# KiCad board RP2040_motor-rounded.kicad_pcb (continued)
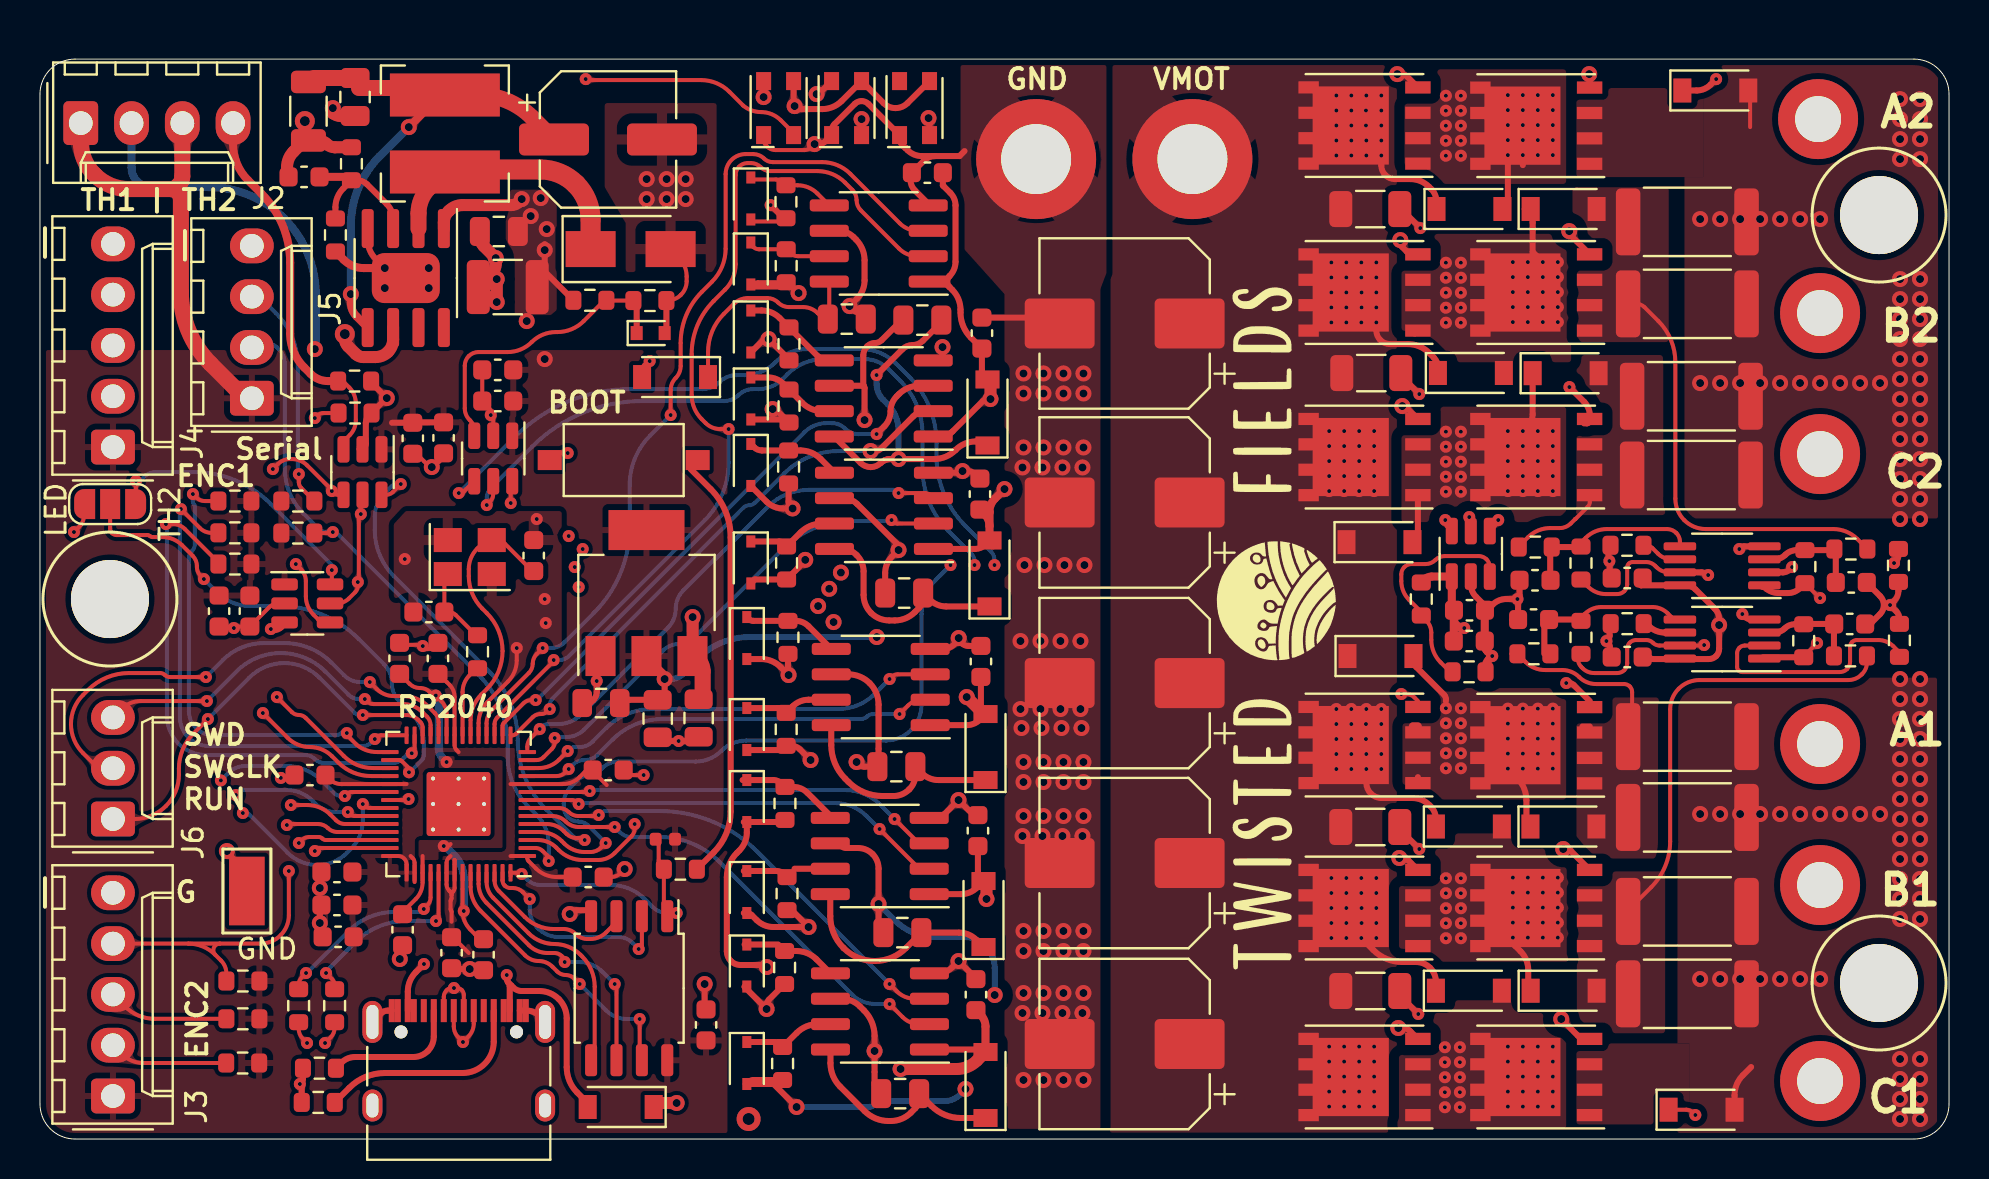
[diagram p0: board, top side]
## Routing (per net, layer and track width the routed paths; a pad name or vN(x,y) marks a point on that pad's centre or on a via; arc(x,y) is an arc through that point) (continued)
A4: length 92.7
  Top w0.2: v1(13.75,14.4) 13.83,14.47 arc(13.91,14.53) 14.01,14.55 U15.41 ; 76.93,24.26 76.93,24.02 arc(76.98,23.8) 77.1,23.61 77.17,23.54 arc(77.44,23.36) 77.75,23.3 78.9,23.3 arc(79.09,23.34) 79.26,23.44 arc(79.36,23.61) 79.4,23.8 79.4,24.51 arc(79.43,24.68) 79.53,24.82 arc(79.67,24.92) 79.84,24.95 80.36,24.95 arc(80.54,24.91) 80.69,24.81 arc(80.84,24.71) 81.02,24.67 U6.7 83.21,24.67 arc(83.22,24.68) 83.24,24.69 v1(83.25,24.7)
  In1.Cu w0.3: v2(39.7,25.85) 39.67,25.87 arc(39.65,25.89) 39.61,25.9 36.83,25.9 arc(35.46,26.17) 34.3,26.95 arc(33.14,27.73) 31.77,28 27.63,28 arc(27.37,27.95) 27.15,27.8 v1(26.95,27.6)
  In2.Cu w0.3: v1(26.95,27.6) 26.88,27.67 arc(26.79,27.73) 26.69,27.75 23.64,27.75 arc(20.72,27.17) 18.24,25.51 15.33,22.61 arc(14.79,21.8) 14.6,20.84 14.6,15.85 arc(14.49,15.3) 14.18,14.83 v1(13.75,14.4) ; v1(83.25,24.7) 82.92,24.38 arc(82.57,24.13) 82.14,24.05 78.63,24.05 arc(78,24.17) 77.47,24.53 arc(76.94,24.89) 76.31,25.01 72.5,25.01 arc(71.91,24.89) 71.41,24.56 arc(70.9,24.22) 70.31,24.1 47,24.1 arc(46.87,24.13) 46.76,24.2 arc(46.65,24.27) 46.52,24.3 42.02,24.3 arc(41.13,24.48) 40.38,24.98 39.77,25.59 arc(39.72,25.67) 39.7,25.75 v2(39.7,25.85)
ADC_CLK: length 105.9
  Top w0.2: v1(15.25,17.15) 15.35,17.25 arc(15.46,17.32) 15.59,17.35 U15.34 ; v1(12.8,28.75) 13.05,28.5 arc(13.24,28.22) 13.3,27.9 13.3,27.14 arc(13.4,26.64) 13.68,26.22 13.91,25.99 arc(14.08,25.87) 14.29,25.83 U10.4 ; U9.4 72.91,30.78 arc(72.94,30.83) 72.95,30.89 v1(72.95,30.95) ; U16.4 21.2,32.36 arc(21.13,32.32) 21.04,32.3 v1(20.95,32.3) ; U14.4 14.92,32.21 arc(14.8,32.24) 14.69,32.31 v1(14.6,32.4) 14.57,32.43 arc(14.55,32.45) 14.55,32.47 arc(14.55,32.5) 14.53,32.52 13.37,33.68 arc(13.02,33.92) 12.6,34 12.5,34 arc(12.18,33.94) 11.9,33.75 v1(11.65,33.5)
  In2.Cu w0.2: v1(9.05,17.93) 9.2,18.08 arc(9.31,18.25) 9.35,18.44 9.35,21.95 arc(9.51,22.74) 9.95,23.4 arc(10.39,24.06) 10.55,24.85 10.55,25.42 arc(10.8,26.7) 11.52,27.78 12.39,28.64 arc(12.51,28.72) 12.65,28.75 v1(12.8,28.75) 12.8,30.34 arc(12.65,31.09) 12.22,31.72 12.07,31.88 arc(11.76,32.35) 11.65,32.9 v1(11.65,33.5) ; v1(20.95,32.3) 20.8,32.15 arc(20.63,32.04) 20.44,32 17.53,32 arc(17.27,32.05) 17.05,32.2 arc(16.83,32.35) 16.57,32.4 v1(14.6,32.4) ; v1(47.75,28.7) 48.1,29.05 arc(48.49,29.31) 48.94,29.4 52.37,29.4 arc(52.54,29.37) 52.68,29.27 arc(53.2,28.92) 53.82,28.8 70.56,28.8 arc(71.47,28.98) 72.25,29.5 72.68,29.93 arc(72.88,30.23) 72.95,30.58 v1(72.95,30.95)
  Bottom w0.2: v1(47.75,28.7) 47.75,28.95 arc(47.7,29.18) 47.57,29.38 46.3,30.65 arc(45.23,32.26) 44.85,34.15 44.85,34.81 arc(44.49,36.6) 43.47,38.12 42.82,38.78 arc(42.02,39.31) 41.08,39.5 38.37,39.5 arc(37.52,39.33) 36.8,38.85 36.79,38.84 arc(36.08,38.37) 35.25,38.2 34.84,38.2 arc(34.39,38.11) 34,37.85 arc(33.61,37.59) 33.16,37.5 29.53,37.5 arc(26.41,36.88) 23.76,35.11 v1(20.95,32.3) ; v1(15.25,17.15) 15.06,17.15 arc(14.88,17.19) 14.73,17.29 14.11,17.9 arc(13.28,18.46) 12.3,18.65 10.29,18.65 arc(9.81,18.56) 9.41,18.29 v1(9.05,17.93)
ADC_CS1: length 31.8
  Top w0.2: 23.62,32.99 23.59,32.95 arc(23.56,32.91) 23.55,32.86 v1(23.55,31.8) ; U15.37 15.74,16.15 arc(15.61,16.18) 15.5,16.25 v1(15.4,16.35)
  In2.Cu w0.2: v1(23.55,31.8) 23.2,31.45 arc(22.81,31.19) 22.36,31.1 20.53,31.1 arc(18.39,30.67) 16.58,29.46 11.56,24.44 arc(10.29,22.55) 9.85,20.32 9.85,17.94 arc(9.84,17.91) 9.83,17.88 arc(9.81,17.86) 9.8,17.82 v1(9.8,17.2)
  Bottom w0.2: v1(15.4,16.35) 14.8,16.35 arc(14.25,16.46) 13.78,16.77 13.65,16.9 arc(13.04,17.31) 12.31,17.46 10.24,17.46 arc(10.07,17.42) 9.93,17.33 v1(9.8,17.2)
ADC_CS2: length 61.5
  Top w0.2: U15.4 25.01,15.35 arc(25.6,15.23) 26.1,14.9 26.23,14.77 arc(26.7,14.46) 27.25,14.35 27.53,14.35 arc(27.83,14.41) 28.08,14.58 v1(28.3,14.8) ; v1(70.3,30.95) 70.3,30.84 arc(70.32,30.73) 70.38,30.65 U9.6
  In2.Cu w0.2: v1(70.3,30.95) 69.85,30.5 arc(69.35,30.17) 68.76,30.05 53.78,30.05 arc(53.61,30.08) 53.47,30.17 arc(53.34,30.27) 53.17,30.3 48.28,30.3 arc(47.24,30.09) 46.35,29.5 v1(45.55,28.7)
  Bottom w0.2: v1(45.55,28.7) 44.83,27.97 arc(44.29,27.17) 44.1,26.22 44.1,21.72 arc(43.96,21.03) 43.58,20.45 arc(42.99,20.06) 42.31,19.92 35.34,19.92 arc(34.66,19.79) 34.08,19.4 arc(33.49,19.01) 32.81,18.88 28.94,18.88 arc(28.49,18.78) 28.1,18.53 27.97,18.4 arc(27.73,18.23) 27.44,18.17 arc(27.15,18.12) 26.9,17.95 26.54,17.59 arc(26.29,17.21) 26.2,16.78 26.2,16.6 arc(26.26,16.32) 26.41,16.09 arc(26.65,15.93) 26.92,15.88 arc(27.2,15.82) 27.44,15.66 v1(28.3,14.8)
ADC_CS3: length 26.9
  Top w0.2: v1(18.05,32.75) 17.66,32.36 arc(17.49,32.25) 17.3,32.21 17.23,32.21 arc(17.17,32.25) 17.18,32.31 17.28,32.41 ; v1(27.25,14.95) 27.2,15 arc(27.14,15.04) 27.08,15.05 26.85,15.05 arc(26.57,15.11) 26.34,15.26 26.2,15.4 arc(25.81,15.66) 25.36,15.75 U15.5
  Bottom w0.2: v1(27.25,14.95) 27.05,14.95 arc(26.87,14.99) 26.71,15.09 25.33,16.47 arc(24.27,18.05) 23.9,19.92 arc(23.53,21.8) 22.47,23.38 17.7,28.15 arc(17,29.2) 16.75,30.45 16.75,31.13 arc(16.87,31.75) 17.22,32.28 17.58,32.63 arc(17.71,32.72) 17.88,32.75 v1(18.05,32.75)
ADC_CS4: length 13.9
  Top w0.2: v1(4.8,32.9) 4.8,31.77 arc(4.8,31.76) 4.8,31.75 arc(4.81,31.75) 4.8,31.75 4.41,31.75 ; v1(14.6,28.45) 14.6,27.89 arc(14.59,27.83) 14.55,27.78 U10.6
  Bottom w0.2: 14.6,28.7 11.54,31.76 arc(9.78,32.94) 7.7,33.35 5.77,33.35 arc(5.47,33.29) 5.22,33.12 5.07,32.97 arc(4.99,32.92) 4.9,32.9 v1(4.8,32.9)
ADC_DATA: length 100.1
  Top w0.2: 15.08,26.78 14.8,26.78 14.86,26.78 arc(15.18,26.85) 15.46,27.03 15.77,27.34 arc(15.87,27.49) 15.9,27.66 v1(15.9,27.85) 15.92,27.88 arc(15.94,27.9) 15.95,27.94 15.95,31.08 arc(15.96,31.14) 16,31.2 v1(16.05,31.25) 16.05,32.07 arc(16.06,32.12) 16.09,32.17 U14.5 ; U9.5 71.54,30.44 arc(71.51,30.48) 71.5,30.53 v1(71.5,31.1) ; v1(16.15,16.75) 16.25,16.65 arc(16.36,16.58) 16.49,16.55 U15.36 ; U16.5 22.67,32.25 arc(22.63,32.04) 22.51,31.86 v1(22.35,31.7) ; 22.67,32.42 22.67,32.97
  In2.Cu w0.2: v1(46.75,28.7) 47.3,29.25 arc(47.91,29.66) 48.63,29.8 53,29.8 arc(53.23,29.75) 53.42,29.62 arc(53.62,29.5) 53.85,29.45 69.79,29.45 arc(70.45,29.58) 71,29.95 71.27,30.22 arc(71.44,30.47) 71.5,30.78 v1(71.5,31.1) ; v1(15.9,27.85) 11.35,23.3 arc(10.68,22.3) 10.45,21.13 10.45,17.11 arc(10.41,16.92) 10.3,16.75 10.26,16.71 arc(10.18,16.59) 10.15,16.45 v1(10.15,16.3) ; v1(22.35,31.7) 22.25,31.6 arc(22.14,31.53) 22.01,31.5 16.48,31.5 arc(16.31,31.47) 16.17,31.38 v1(16.05,31.25)
  Bottom w0.2: v1(22.35,31.7) 22.35,32.03 arc(22.41,32.33) 22.58,32.58 24.62,34.62 arc(27.14,36.31) 30.12,36.9 34.23,36.9 arc(34.62,36.98) 34.95,37.2 arc(35.28,37.42) 35.67,37.5 35.95,37.5 arc(36.6,37.63) 37.14,37.99 37.4,38.25 arc(38.23,38.81) 39.21,39 41.24,39 arc(41.9,38.87) 42.45,38.5 43.05,37.9 arc(43.86,36.68) 44.15,35.24 44.15,33.54 arc(44.49,31.84) 45.45,30.4 46.61,29.24 arc(46.71,29.08) 46.75,28.9 v1(46.75,28.7) ; v1(10.15,16.3) 10.27,16.3 arc(10.39,16.28) 10.49,16.21 12.38,14.32 arc(13.07,13.86) 13.88,13.7 arc(14.68,13.86) 15.37,14.32 15.57,14.52 arc(16,15.16) 16.15,15.92 v1(16.15,16.75)
ENCA: length 33.6
  Top w0.2: U15.31 16.65,18.55 arc(15.86,18.71) 15.2,19.15 13.29,21.06 arc(13.13,21.17) 12.95,21.2 arc(12.76,21.24) 12.61,21.34 v1(11.85,22.1) ; J3.2 4.09,4.25 arc(4.59,3.92) 5.17,3.8 R58.2
  In2.Cu w0.2: 11.85,21.9 v1(11.85,22.1) 11.85,20.08 arc(11.8,19.82) 11.65,19.6 arc(11.5,19.38) 11.45,19.12 11.45,15.87 arc(10.83,12.75) 9.06,10.1 J3.2
ENCB: length 30.9
  Top w0.2: v1(11.15,21.3) 12.39,20.06 arc(12.9,19.72) 13.5,19.6 arc(14.1,19.48) 14.61,19.14 14.93,18.82 arc(15.67,18.32) 16.55,18.15 U15.32 ; J3.3 4.26,6.62 arc(4.94,6.17) 5.73,6.01 9.33,6.01
  In2.Cu w0.2: J3.3 3.75,7.33 arc(3.86,7.4) 3.99,7.43 4.36,7.43 arc(4.84,7.52) 5.24,7.79 8.61,11.16 arc(10.38,13.81) 11,16.93 11,21.04 arc(11.02,21.14) 11.08,21.22 v1(11.15,21.3)
ENCC: length 23.9
  Top w0.2: 7.42,9.77 J3.4 ; 7.42,9.77 9,9.77 ; 7.42,9.77 arc(8.15,9.63) 8.77,9.21 ; U15.35 18.35,16.95 arc(18.39,16.96) 18.41,16.97 v1(18.44,17) ; v1(12.45,13.4) 12.45,11.19 arc(12.34,10.64) 12.03,10.19 arc(11.58,9.88) 11.03,9.77 9,9.77 ; 9,9.77 arc(8.7,9.57) 8.77,9.21 ; 8.77,9.21 9.06,8.92 arc(9.26,8.63) 9.33,8.28 9.33,7.9
  In2.Cu w0.2: v1(18.44,17) 15.6,14.16 arc(14.7,13.56) 13.64,13.35 12.54,13.35 arc(12.5,13.36) 12.47,13.38 v1(12.45,13.4)
GPIO4: length 24
  Top w0.2: v1(42.5,6.75) 43.16,6.09 arc(43.54,5.84) 44,5.75 U1.2 ; U15.6 25.63,16.15 arc(25.99,16.08) 26.3,15.88 arc(26.6,15.67) 26.96,15.6 v1(28.75,15.6)
  Bottom w0.2: v1(42.5,6.75) 41.8,6.75 arc(41.15,6.88) 40.61,7.24 33.99,13.86 arc(32.62,14.78) 31,15.1 29.6,15.1 arc(29.28,15.16) 29,15.35 v1(28.75,15.6)
GPIO5: length 23.8
  Top w0.2: U1.3 43.75,7.02 arc(43.27,7.11) 42.87,7.38 v1(42.5,7.75) ; U15.7 25.97,16.55 arc(26.23,16.5) 26.45,16.35 arc(26.67,16.2) 26.93,16.15 27.86,16.15 arc(27.9,16.16) 27.92,16.17 v1(27.95,16.2)
  Bottom w0.2: v1(27.95,16.2) 28.05,16.3 arc(28.16,16.37) 28.29,16.4 31,16.4 arc(33.63,15.88) 35.87,14.38 v1(42.5,7.75)
GPIO6: length 21.4
  Top w0.2: U15.8 26.61,16.95 arc(26.74,16.92) 26.85,16.85 v1(26.95,16.75) ; v1(42,15.5) 43.81,13.69 arc(44,13.56) 44.23,13.52 U4.2
  Bottom w0.2: v1(26.95,16.75) 26.97,16.78 arc(27,16.79) 27.04,16.8 39.78,16.8 arc(40.63,16.63) 41.35,16.15 v1(42,15.5)
GPIO7: length 21.1
  Top w0.2: U15.9 27.41,17.35 arc(27.45,17.36) 27.47,17.38 v1(27.5,17.4) ; v1(42.75,16) 43.78,14.97 arc(43.98,14.83) 44.22,14.78 44.48,14.78
  Bottom w0.2: v1(42.75,16) 42.02,16.72 arc(41.22,17.26) 40.27,17.45 27.59,17.45 arc(27.55,17.44) 27.52,17.42 v1(27.5,17.4)
GPIO8: length 21.4
  Top w0.2: U7.2 44.12,21.97 arc(43.75,21.89) 43.43,21.68 v1(43,21.25) ; v1(26.45,18.5) 26.27,18.33 arc(26.08,18.2) 25.85,18.15 U15.11
  Bottom w0.2: v1(26.45,18.5) 26.67,18.72 arc(26.92,18.89) 27.22,18.95 27.26,18.95 arc(27.6,19.02) 27.88,19.21 28.65,19.98 arc(29.79,20.73) 31.12,21 41.07,21 arc(41.24,21.03) 41.38,21.12 arc(41.51,21.22) 41.68,21.25 v1(43,21.25)
GPIO9: length 21.7
  Top w0.2: v1(26.4,19.4) 25.96,18.96 arc(25.51,18.66) 24.96,18.55 U15.12 ; U7.3 42.9,23.23 arc(42.75,23.2) 42.62,23.12 v1(42.5,23)
  Bottom w0.2: v1(42.5,23) 41.75,22.25 arc(40.92,21.69) 39.94,21.5 30.62,21.5 arc(29.38,21.25) 28.32,20.55 27.65,19.87 arc(27.35,19.67) 26.99,19.6 26.74,19.6 arc(26.61,19.57) 26.5,19.5 v1(26.4,19.4)
GPIO10: length 25.2
  Top w0.2: 44.02,30.78 44.36,30.78 42.9,30.78 arc(42.78,30.8) 42.69,30.86 v1(42.6,30.95) ; v1(25.75,20.05) 25.75,19.85 arc(25.71,19.67) 25.61,19.51 25.19,19.09 arc(25.04,18.99) 24.85,18.95 U15.13
  Bottom w0.2: v1(25.75,20.05) 25.77,20.08 arc(25.8,20.09) 25.84,20.1 26.33,20.1 arc(26.81,20.2) 27.22,20.47 31.18,24.43 arc(31.53,24.67) 31.95,24.75 arc(32.37,24.83) 32.72,25.07 37.14,29.49 arc(38.7,30.53) 40.55,30.9 42.51,30.9 arc(42.55,30.91) 42.57,30.93 v1(42.6,30.95)
GPIO11: length 26.5
  Top w0.2: U2.3 44.57,32.17 arc(44.43,32.27) 44.26,32.3 v1(42.95,32.3) ; U15.14 24.38,19.61 arc(24.43,19.86) 24.56,20.06 v1(25,20.5)
  Bottom w0.2: v1(42.95,32.3) 42.87,32.38 arc(42.78,32.44) 42.68,32.46 38.46,32.46 arc(37.34,32.24) 36.4,31.61 33.81,29.02 arc(33.79,29) 33.77,29 arc(33.75,29) 33.73,28.98 32.19,27.44 arc(31.9,27.01) 31.8,26.5 arc(31.7,25.99) 31.41,25.56 27.08,21.23 arc(26.55,20.87) 25.92,20.75 25.43,20.75 arc(25.26,20.72) 25.12,20.62 v1(25,20.5)
GPIO12: length 27.7
  Top w0.2: v1(25.5,21.5) 25.38,21.38 arc(25.24,21.28) 25.07,21.25 25.03,21.25 arc(24.82,21.21) 24.65,21.09 23.81,20.26 arc(23.73,20.21) 23.64,20.19 U15.15
  Top w0.3: U5.2 44.31,36.39 arc(43.97,36.33) 43.68,36.13 42.09,34.54 arc(41.93,34.44) 41.75,34.4 v2(41.55,34.4)
  Bottom w0.2: v1(25.5,21.5) 25.5,21.69 arc(25.53,21.87) 25.63,22.02 35.19,31.57 arc(35.32,31.66) 35.47,31.69 arc(35.63,31.72) 35.76,31.81 37.22,33.27 arc(38.47,34.11) 39.95,34.4 v2(41.55,34.4)
GPIO13: length 29.7
  Top w0.2: v1(24.8,21.95) 24.58,21.95 arc(24.37,21.91) 24.19,21.79 23.19,20.79 arc(23.15,20.73) 23.14,20.67 U15.16
  Top w0.3: v1(41.85,35.25) 42.24,35.64 arc(42.47,35.98) 42.55,36.39 arc(42.63,36.8) 42.86,37.14 42.97,37.25 arc(43.43,37.56) 43.98,37.67 U5.3
  Bottom w0.2: v1(24.8,21.95) 24.83,21.95 arc(24.85,21.95) 24.87,21.97 38.24,35.34 arc(38.75,35.68) 39.35,35.8 39.61,35.8 arc(39.97,35.73) 40.27,35.53 arc(40.58,35.32) 40.94,35.25 v1(41.85,35.25)
GPIO14: length 46.8
  Top w0.2: 43.66,44.14 44.04,44.14 43.89,44.14 arc(43.4,44.24) 42.97,44.53 41.06,46.44 arc(40.91,46.67) 40.85,46.95 arc(40.79,47.23) 40.64,47.46 40.27,47.83 arc(39.64,48.25) 38.89,48.4 36.53,48.4 arc(36.27,48.45) 36.05,48.6 arc(35.83,48.75) 35.57,48.8 35.4,48.8 arc(35.17,48.75) 34.97,48.62 arc(34.85,48.43) 34.8,48.2 34.8,43.74 arc(34.66,43.06) 34.27,42.47 34.27,42.47 33.7,41.9 33.7,41.9 arc(32.89,40.68) 32.6,39.24 32.6,37.21 arc(32.73,36.55) 33.1,36 33.3,35.8 arc(33.63,35.58) 34.02,35.5 v1(34.45,35.5) ; U15.17 22.74,20.75 arc(22.77,20.93) 22.87,21.07 25.68,23.88 arc(25.7,23.9) 25.7,23.92 v1(25.7,23.95)
  Bottom w0.2: v1(25.7,23.95) 25.98,23.95 arc(26.24,24) 26.46,24.15 33.26,30.95 arc(34.14,32.27) 34.45,33.82 v1(34.45,35.5)
GPIO15: length 44.7
  Top w0.2: U15.18 22.34,20.78 arc(22.42,21.16) 22.63,21.48 24.45,23.3 arc(24.6,23.52) 24.65,23.77 arc(24.7,24.03) 24.85,24.25 v1(25.15,24.55) ; v1(31.55,36.2) 31.55,37.45 arc(31.61,37.77) 31.8,38.05 arc(31.99,38.33) 32.05,38.65 32.05,39.8 arc(32.33,41.19) 33.11,42.36 33.61,42.86 arc(34.12,43.62) 34.3,44.52 34.3,48.25 arc(34.59,48.96) 35.3,49.25 35.68,49.25 arc(35.98,49.19) 36.22,49.03 arc(36.42,48.89) 36.65,48.85 39.12,48.85 arc(39.89,48.7) 40.54,48.26 43.01,45.79 arc(43.42,45.51) 43.91,45.42 U8.3
  Bottom w0.2: v1(25.15,24.55) 25.55,24.55 arc(25.92,24.62) 26.23,24.83 27.72,26.33 arc(29.04,28.29) 29.5,30.61 29.5,32.7 arc(29.77,34.04) 30.52,35.17 v1(31.55,36.2)
LED: length 57.9
  Top w0.2: 37.7,50.15 37.7,50.25 arc(37.69,50.3) 37.66,50.34 37.06,50.94 arc(36.61,51.24) 36.08,51.35 arc(35.59,51.44) 35.17,51.68 34.49,52.36 arc(33.84,52.8) 33.07,52.95 27.59,52.95 arc(27.55,52.96) 27.52,52.97 arc(27.5,52.99) 27.46,53 v1(27.3,53) ; v1(1.7,30.35) 1.95,30.61 arc(2.14,30.89) 2.21,31.22 JP1.1
  Top w0.3: 37.7,50.15 37.7,49.95
  In2.Cu w0.2: v1(27.3,53) 27.05,52.75 arc(26.77,52.56) 26.45,52.5 13.97,52.5 arc(13.12,52.33) 12.4,51.85 12.3,51.75 arc(11.89,51.14) 11.75,50.42 arc(11.61,49.71) 11.2,49.1 10.65,48.55 arc(9.43,47.74) 7.99,47.45 3.41,47.45 arc(2.75,47.32) 2.2,46.95 arc(1.83,46.4) 1.7,45.74 v1(1.7,30.35)
LED_OR_ADC_CS4: length 25.3
  Top w0.2: JP1.2 3.51,30.52 arc(3.53,30.4) 3.61,30.3 arc(3.71,30.22) 3.83,30.2 5.38,30.2 arc(5.44,30.19) 5.5,30.15 arc(5.56,30.11) 5.62,30.1 6.12,30.1 arc(6.66,29.99) 7.11,29.69 7.64,29.16 arc(7.79,28.93) 7.85,28.65 7.85,28.6 arc(7.9,28.37) 8.02,28.17 v1(8.2,28) ; v1(18.46,18.34) 18.46,18.44 arc(18.44,18.53) 18.39,18.61 18.11,18.89 arc(18.04,18.93) 17.96,18.95 U15.30
  Bottom w0.2: v1(8.2,28) 8.88,27.33 arc(9.62,26.83) 10.5,26.65 11.97,26.65 arc(14.12,26.22) 15.95,25 17.21,23.74 arc(17.5,23.31) 17.6,22.8 arc(17.7,22.29) 17.99,21.86 18.63,21.22 arc(19.05,20.59) 19.2,19.85 19.2,19.18 arc(19.18,19.06) 19.11,18.95 18.51,18.35 arc(18.49,18.34) 18.48,18.34 v1(18.46,18.34)
M1A: length 44.3
  Top w0.3: 68.93,18.09 68.93,18.02 ; U7.6 40.44,23.23 arc(41.02,23.12) 41.51,22.79 arc(41.83,22.3) 41.95,21.72 41.95,18.72 arc(41.94,18.68) 41.92,18.65 arc(41.89,18.63) 41.85,18.62 41.24,18.62 arc(41.09,18.65) 40.97,18.73 v2(40.85,18.85) ; v1(73.43,18.52) 73.9,18.06 arc(74.24,17.54) 74.36,16.93 74.36,15.53 ; 70.33,21.89 70.33,22 arc(70.31,22.11) 70.25,22.2 68.85,23.6 arc(68.75,23.76) 68.71,23.94 D27.2
  Top w0.4: 68.93,20.64 68.67,20.64
  In2.Cu w0.3: 70.33,18.14 69.84,18.14 arc(69.39,18.05) 69,17.79 68.78,17.57 arc(68.15,17.15) 67.4,17 48.53,17 arc(47.36,17.23) 46.36,17.9 arc(45.36,18.57) 44.19,18.8 40.86,18.8
  vias: v1(70.33,21.54) v1(70.33,20.79) v1(70.33,20.04) v1(70.33,19.29) v1(70.33,18.54) v1(71.08,21.54) v1(71.08,20.79) v1(71.08,20.04) v1(71.08,19.29) v1(71.08,18.54) v1(73.43,21.52) v1(73.43,20.77) v1(73.43,20.02) v1(73.43,19.27) v1(74.18,21.52) v1(74.18,20.77) v1(74.18,20.02) v1(74.18,19.27) v1(74.18,18.52) v1(74.93,21.52) v1(74.93,20.77) v1(74.93,20.02) v1(74.93,19.27) v1(74.93,18.52) v1(75.68,21.52) v1(75.68,20.77) v1(75.68,20.02) v1(75.68,19.27) v1(75.68,18.52)
M1B: length 43.9
  Top w0.3: D18.1 74.51,7.48 arc(74.47,7.54) 74.45,7.62 74.45,8.46 arc(74.35,8.96) 74.07,9.38 73.79,9.66 arc(73.71,9.78) 73.68,9.92 v1(73.68,10.07) ; 42.07,10.32 C12.1 ; 68.78,9.5 BH1.1 ; 42.19,10.07 42.07,10.19 arc(41.98,10.32) 41.95,10.48 v2(41.95,11.75) 41.95,13.53 arc(41.87,13.92) 41.65,14.25 arc(41.32,14.47) 40.93,14.55 40.35,14.55 arc(40.19,14.58) 40.06,14.67 arc(39.93,14.75) 39.78,14.78 39.53,14.78
  In2.Cu w0.3: 70.33,10.44 69.63,10.44 arc(68.99,10.31) 68.45,9.95 67.57,9.07 arc(66.05,8.06) 64.26,7.7 57.86,7.7 arc(56.29,7.39) 54.96,6.5 arc(53.63,5.61) 52.06,5.3 49.13,5.3 arc(48.6,5.4) 48.16,5.7 48.15,5.71 arc(47.86,6.14) 47.76,6.65 v2(47.76,7.2)
  Bottom w0.3: v2(47.76,7.2) 47.76,8.56 arc(47.64,9.15) 47.31,9.65 arc(46.81,9.98) 46.22,10.1 44.77,10.1 arc(43.69,10.31) 42.77,10.92 v2(41.95,11.75)
  vias: v1(70.33,13.04) v1(70.33,12.29) v1(70.33,11.54) v1(70.33,10.79) v1(70.33,10.04) v1(71.08,13.04) v1(71.08,12.29) v1(71.08,11.54) v1(71.08,10.79) v1(71.08,10.04) v1(73.68,13.07) v1(73.68,12.32) v1(73.68,11.57) v1(73.68,10.82) v1(74.43,13.07) v1(74.43,12.32) v1(74.43,11.57) v1(74.43,10.82) v1(74.43,10.07) v1(75.18,13.07) v1(75.18,12.32) v1(75.18,11.57) v1(75.18,10.82) v1(75.18,10.07) v1(75.93,13.07) v1(75.93,12.32) v1(75.93,11.57) v1(75.93,10.82) v1(75.93,10.07)
M1C: length 39.3
  Top w0.2: 74.17,3.1 74.17,2.23 ; v1(82.81,1.2) 82.68,1.33 arc(82.53,1.43) 82.36,1.47 D8.1
  Top w0.3: U1.6 40.09,7.02 arc(40.59,6.91) 41.02,6.63 41.22,6.43 arc(41.61,5.84) 41.75,5.15 v2(41.75,4.4) 41.75,2.83 arc(41.79,2.62) 41.92,2.44 C8.1
  In2.Cu w0.3: 70.33,1.49 70.07,1.23 arc(69.78,1.04) 69.45,0.97 46.56,0.97 arc(45.88,1.1) 45.31,1.49 arc(44.93,2.06) 44.8,2.73 44.8,2.86 arc(44.68,3.45) 44.35,3.95 arc(43.85,4.28) 43.26,4.4 v2(41.75,4.4)
  vias: v1(70.28,4.59) v1(70.28,3.84) v1(70.28,3.09) v1(70.28,2.34) v1(70.28,1.59) v1(71.03,4.59) v1(71.03,3.84) v1(71.03,3.09) v1(71.03,2.34) v1(71.03,1.59) v1(73.43,4.62) v1(73.43,3.87) v1(73.43,3.12) v1(73.43,2.37) v1(73.43,1.62) v1(74.18,4.62) v1(74.18,3.87) v1(74.18,3.12) v1(74.18,2.37) v1(74.18,1.62) v1(74.93,4.62) v1(74.93,3.87) v1(74.93,3.12) v1(74.93,2.37) v1(74.93,1.62) v1(75.68,4.62) v1(75.68,3.87) v1(75.68,3.12) v1(75.68,2.37) v1(75.68,1.62)
M2A: length 43.6
  Top w0.3: v1(74.18,49.2) 74.18,48.7 ; C17.1 41.01,41.3 arc(40.94,41.34) 40.87,41.36 arc(40.8,41.37) 40.73,41.42 v2(40.5,41.65) 40.88,42.03 arc(41.15,42.44) 41.25,42.93 41.25,43.94 arc(41.14,44.5) 40.82,44.98 40.7,45.1 arc(40.35,45.33) 39.93,45.42 U8.6 ; D30.1 82.88,52.43 arc(83.25,52.5) 83.56,52.72 v1(83.85,53) ; D29.2 73.3,46.64 arc(73.4,46.79) 73.43,46.97 v1(73.43,49.2) ; AH2.1 68.93,48.7
  In2.Cu w0.3: 70.33,48.82 70.02,48.82 arc(69.74,48.76) 69.5,48.6 68.44,47.54 arc(67.07,46.62) 65.45,46.3 arc(63.83,45.98) 62.46,45.06 61.65,44.25 arc(59.38,42.73) 56.7,42.2 44.55,42.2 ; 44.56,42.2 41.44,42.2 arc(41.08,42.13) 40.77,41.92 v2(40.5,41.65)
  vias: v1(70.33,52.17) v1(70.33,51.42) v1(70.33,50.67) v1(70.33,49.92) v1(70.33,49.17) v1(71.08,52.17) v1(71.08,51.42) v1(71.08,50.67) v1(71.08,49.92) v1(71.08,49.17) v1(73.43,52.2) v1(73.43,51.45) v1(73.43,50.7) v1(73.43,49.95) v1(74.18,52.2) v1(74.18,51.45) v1(74.18,50.7) v1(74.18,49.95) v1(74.93,52.2) v1(74.93,51.45) v1(74.93,50.7) v1(74.93,49.95) v1(74.93,49.2) v1(75.68,52.2) v1(75.68,51.45) v1(75.68,50.7) v1(75.68,49.95) v1(75.68,49.2)
M2B: length 41.7
  Top w0.3: v1(75.18,43.85) 74.67,44.36 ; 41.14,37.67 U5.6 ; 41.14,37.67 arc(41.18,37.66) 41.22,37.63 ; 41.14,37.67 arc(41.17,37.68) 41.19,37.71 ; 74.67,44.16 74.67,45.82 arc(74.62,46.08) 74.47,46.31 74.27,46.5 ; v2(41.25,35.95) 41.25,37.55 arc(41.24,37.6) 41.22,37.63 ; v1(73.68,40.85) 73.67,40.84 ; C13.1 43.15,40.95 arc(43.11,40.94) 43.08,40.92 42.1,39.94 arc(41.94,39.84) 41.75,39.8 arc(41.57,39.76) 41.41,39.66 41.37,39.62 arc(41.23,39.42) 41.19,39.18 41.19,37.71 ; 68.78,40.28 BH2.1 ; 41.19,37.71 arc(41.19,37.67) 41.22,37.63
  In2.Cu w0.3: 70.33,40.47 69.75,40.47 arc(69.22,40.36) 68.77,40.06 67.79,39.08 arc(66.26,38.06) 64.45,37.7 61.51,37.7 arc(60.07,37.41) 58.85,36.6 arc(57.63,35.79) 56.19,35.5 44.38,35.5 arc(44.08,35.56) 43.83,35.72 arc(43.59,35.89) 43.29,35.95 v2(41.25,35.95)
  vias: v1(70.33,43.82) v1(70.33,43.07) v1(70.33,42.32) v1(70.33,41.57) v1(70.33,40.82) v1(71.08,43.82) v1(71.08,43.07) v1(71.08,42.32) v1(71.08,41.57) v1(71.08,40.82) v1(73.68,43.85) v1(73.68,43.1) v1(73.68,42.35) v1(73.68,41.6) v1(74.43,43.85) v1(74.43,43.1) v1(74.43,42.35) v1(74.43,41.6) v1(74.43,40.85) v1(75.18,43.1) v1(75.18,42.35) v1(75.18,41.6) v1(75.18,40.85) v1(75.93,43.85) v1(75.93,43.1) v1(75.93,42.35) v1(75.93,41.6) v1(75.93,40.85)
M2C: length 47.5
  Top w0.3: D10.1 74.67,36.24 arc(74.61,35.92) 74.43,35.65 v1(74.18,35.4) ; 68.93,31.97 68.93,30.31 arc(68.89,30.13) 68.8,29.98 D9.2 ; U2.6 40.17,32.05 arc(40.55,31.97) 40.88,31.75 42.87,29.76 arc(42.93,29.67) 42.95,29.57 v2(42.95,29.45) 42.62,29.12 arc(42.37,28.75) 42.28,28.31 C9.1
  In2.Cu w0.3: 70.33,33.02 70.33,32.42 ; v1(73.43,32.4) 73.77,32.07 arc(74.01,31.69) 74.1,31.26 74.1,30.89 arc(73.95,30.11) 73.51,29.46 73.02,28.98 arc(71.83,28.18) 70.43,27.9 45.6,27.9 arc(44.58,28.1) 43.73,28.68 v2(42.95,29.45)
  vias: v1(70.33,35.37) v1(70.33,34.62) v1(70.33,33.87) v1(70.33,33.12) v1(70.33,32.37) v1(71.08,35.37) v1(71.08,34.62) v1(71.08,33.87) v1(71.08,33.12) v1(71.08,32.37) v1(73.43,35.4) v1(73.43,34.65) v1(73.43,33.9) v1(73.43,33.15) v1(74.18,34.65) v1(74.18,33.9) v1(74.18,33.15) v1(74.18,32.4) v1(74.93,35.4) v1(74.93,34.65) v1(74.93,33.9) v1(74.93,33.15) v1(74.93,32.4) v1(75.68,35.4) v1(75.68,34.65) v1(75.68,33.9) v1(75.68,33.15) v1(75.68,32.4)
RXI: length 55.4
  Top w0.2: U15.3 24.91,14.95 arc(25.41,14.85) 25.83,14.57 25.95,14.45 arc(26.5,14.08) 27.16,13.95 27.91,13.95 arc(28.36,14.04) 28.74,14.29 29.59,15.14 arc(29.71,15.32) 29.75,15.53 v1(29.75,15.75) ; R63.1 13.06,32.56 arc(12.98,32.69) 12.95,32.84 12.95,33
  In2.Cu w0.2: v1(29.75,15.75) 29.29,16.21 arc(28.94,16.73) 28.82,17.33 28.82,27.09 arc(28.49,28.79) 27.52,30.23 21.84,35.91 arc(21.41,36.2) 20.9,36.3 20.38,36.3 ; 20.33,36.3 20.17,36.3 arc(20.01,36.33) 19.88,36.42 18.01,38.29 arc(17.22,38.82) 16.3,39 arc(15.38,39.18) 14.59,39.71 12.74,41.56 arc(12.12,41.97) 11.39,42.12 J5.3 ; 20.33,36.3 20.38,36.3 ; 20.33,36.3 20.3,36.3 ; 20.33,36.3 20.38,36.3 ; 11.53,42.37 10.91,42.37 arc(10.88,42.38) 10.89,42.41 10.93,42.45
  Bottom w0.2: v1(12.95,33.25) 12.92,33.28 arc(12.91,33.3) 12.9,33.34 12.9,38.67 arc(12.62,40.08) 11.81,41.28 10.78,42.32 arc(10.73,42.36) 10.66,42.37 10.6,42.37
SPI0CS: length 34.7
  Top w0.2: v1(7.05,31.5) 8,30.55 arc(8.27,30.37) 8.58,30.31 R55.2 ; U15.28 17.07,20.19 arc(16.95,20.16) 16.84,20.09 v1(16.75,20)
  In2.Cu w0.2: 3.65,39.93 5.25,38.33 arc(6.43,36.56) 6.85,34.47 6.85,31.84 arc(6.88,31.71) 6.95,31.6 v1(7.05,31.5)
  Bottom w0.2: v1(16.75,20) 16.58,19.83 arc(16.38,19.7) 16.15,19.65 8.45,19.65 arc(7.9,19.76) 7.42,20.08 arc(7.11,20.55) 7,21.1 7,31.41 arc(7.01,31.45) 7.02,31.47 v1(7.05,31.5)
SPI0RX: length 35.6
  Top w0.2: R57.2 8.75,28.75 ; 8.75,29 7.25,30.5 arc(6.97,30.69) 6.65,30.75 v1(6.3,30.75) ; v1(18.6,19.29) 18.67,19.36 arc(18.72,19.44) 18.74,19.53 U15.27
  In2.Cu w0.2: 3.65,37.39 4.11,37.39 arc(4.53,37.31) 4.88,37.07 5.41,36.55 arc(6.03,35.61) 6.25,34.5 6.25,30.84 arc(6.26,30.8) 6.27,30.78 v1(6.3,30.75)
  Bottom w0.2: v1(6.3,30.75) 6.33,30.72 arc(6.34,30.7) 6.35,30.66 6.35,21.16 arc(6.5,20.41) 6.92,19.78 arc(7.56,19.35) 8.31,19.2 13.27,19.2 arc(13.53,19.15) 13.75,19 arc(13.97,18.85) 14.24,18.8 17.6,18.8 arc(17.92,18.86) 18.19,19.04 18.38,19.23 arc(18.45,19.28) 18.52,19.29 v1(18.6,19.29)
SPI0SCK: length 36
  Top w0.2: v1(15.35,20.3) 15.35,20.2 15.83,19.72 arc(16.31,19.45) 16.85,19.35 U15.29 ; R53.2 8.25,31.9 arc(8.02,31.95) 7.83,32.08 v1(7.65,32.25)
  In2.Cu w0.2: 3.65,42.47 4.47,42.47 arc(5.22,42.32) 5.86,41.89 6.47,41.28 arc(7.34,39.97) 7.65,38.42 v1(7.65,32.25)
  Bottom w0.2: 15.17,20.4 15.07,20.3 arc(14.96,20.23) 14.83,20.2 8.64,20.2 arc(8.19,20.29) 7.8,20.55 arc(7.54,20.94) 7.45,21.39 7.45,29.04 arc(7.49,29.23) 7.6,29.4 arc(7.71,29.57) 7.75,29.76 7.75,31.63 arc(7.74,31.69) 7.7,31.75 arc(7.66,31.81) 7.65,31.87 v1(7.65,32.25) 7.6,32.3
TH1: length 34.9
  Top w0.2: R46.1 14.18,36.3 arc(14.01,36.27) 13.88,36.17 v1(13.75,36.05)
  Top w0.4: v1(11.55,25.5) 11.73,25.5 arc(11.89,25.53) 12.02,25.62 U10.3
  In2.Cu w0.4: 13.75,28.9 13.75,28.42 arc(13.66,27.99) 13.41,27.61 13.24,27.44 arc(13.03,27.3) 12.77,27.25 arc(12.52,27.2) 12.31,27.06 11.83,26.58 arc(11.62,26.27) 11.55,25.9 v1(11.55,25.5) ; 13.75,29 v1(13.75,36.05) v2(13.75,39.5)
  Bottom w0.4: J2.2 4.58,48.57 arc(4.65,48.2) 4.86,47.89 arc(5.18,47.67) 5.55,47.6 8.42,47.6 arc(10.48,47.19) 12.22,46.03 arc(13.39,44.28) 13.8,42.22 13.8,39.59 arc(13.79,39.55) 13.77,39.53 v2(13.75,39.5)
TH2: length 19.2
  Top w0.2: U14.3 15.18,34.68 arc(15.22,34.87) 15.32,35.02 15.49,35.19 arc(15.72,35.53) 15.8,35.94 15.8,36.79 arc(15.72,37.22) 15.47,37.58 15.23,37.82 arc(15.14,37.88) 15.03,37.9 14.8,37.9